# Altium PCB OneBox.PcbDoc (part 2 of 13)
Units mm, origin at the board's own origin, x right, y up, seen from the top; angles counter-clockwise.
Board outline 101 x 69 mm, 6 copper layers (L1_Sig, L2_Gnd, L3_Pow, L4_Sig, L5_Gnd, L6_Sig), stack 1.538 mm thick; 766 components, 563 nets, 3133 pads, 2914 vias.
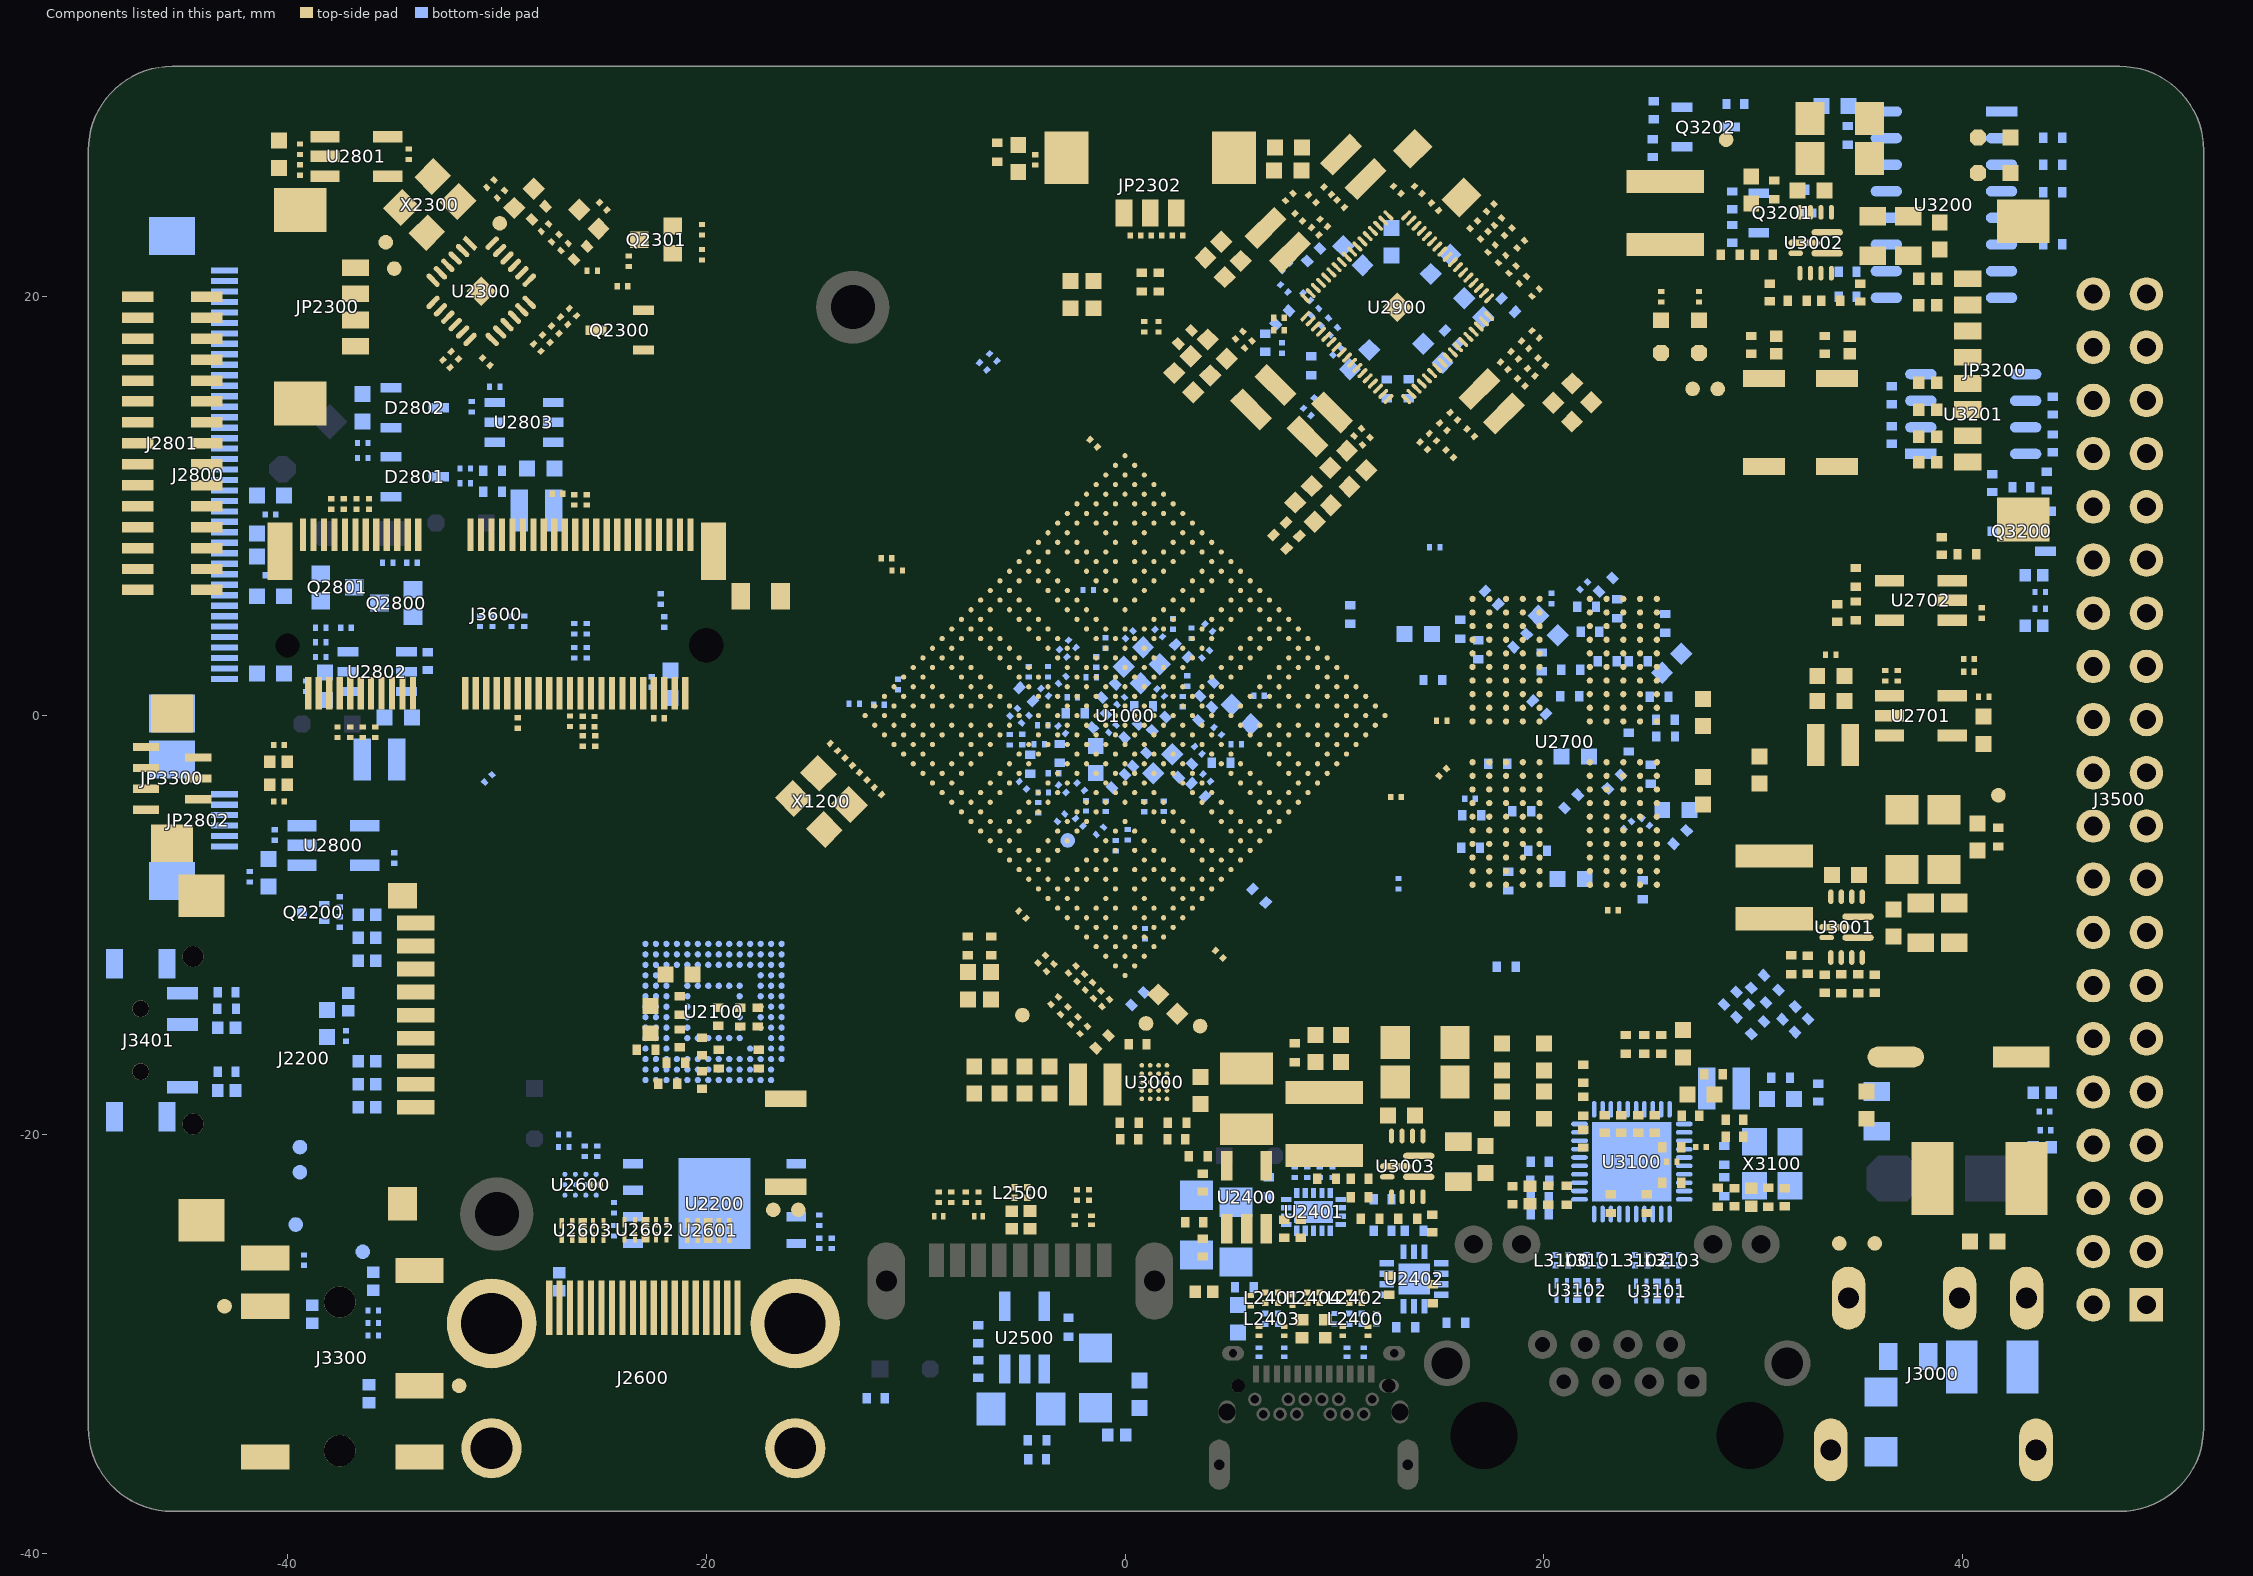
[diagram p6: the components of this part, seen from the top]

## Components (designator, comment, footprint, x,y, rotation, side; value= is the part's Value field where it differs from the comment) (continued)
L2801 "4.7uH" SWPA252010 -28.1,9.8 r0 bottom
L2900 "470nH" SWPA252010 9.3,13.9 r45 top
L2901 "470nH" SWPA252010 7.3,22.7 r315 top
L2902 "470nH" SWPA252010 6.6,15.2 r45 top
L2903 "470nH" SWPA252010 17.5,15 r135 top
L2904 "470nH" SWPA252010 10.9,26.2 r135 top
L3000 "0.24uH" SWPA252010 -1.424,-17.621 r0 top
L3001 "4.7uH" NR4020 31,-8.2 r90 top
L3002 "4.7uH" NR4020 25.8,24 r90 top
L3003 "4.7uH" NR4020 9.5,-19.5 r90 top
L3100 "10uH" SDMM0806 20.85,-26 r270 bottom
L3101 "10uH" SDMM0806 22.35,-26 r270 bottom
L3102 "10uH" SDMM0806 24.65,-26 r270 bottom
L3103 "10uH" SDMM0806 26.15,-26 r270 bottom
L3104 "2.2uH" SWPA252010 28.6,-17.8 r0 bottom
LB2300 "120R@100MHz" "FB 0402_L" -28,24 r45 top
LB2301 "120R@100MHz" "FB 0402_L" -26.001,22.092 r45 top
LB2302 "120R@100MHz" "FB 0402_L" -6.1,26.9 r90 top
LB2900 "120R@100MHz" "FB 0402_L" 18.3,19.6 r135 bottom
LB2901 "120R@100MHz" "FB 0402_L" 13.553,15.607 r270 bottom
LB2902 "120R@100MHz" "FB 0402_L" 7.514,19.013 r225 bottom
LB2903 "120R@100MHz" "FB 0402_L" 12.5,15.6 r270 bottom
LB2904 "120R@100MHz" "FB 0402_L" 8.9,16.7 r90 bottom
LED3200 "Green" "LED 0603G" 41.5,25.9 r180 top
LED3201 "Yellow" "LED 0603Y" 41.5,27.6 r180 top
LED3400 "Green" "LED 0603B" 27.4,18.1 r270 top
LED3401 "Blue" "LED 0603B" 25.6,18.1 r270 top
Q2200 "MMBT3904" SOT723 -38.241,-9 r0 bottom
Q2300 "AO3401" SOT23-3L -24.144,18.407 r90 top
Q2301 "WNM2021-3/TR" SOT323-3 -22.5,22.7 r90 top
Q2800 "WNM2021-3/TR" SOT323-3 -34.9,5.4 r270 bottom
Q2801 "WNM2021-3/TR" SOT323-3 -37.5,6.1 r90 bottom
Q3200 "S8050" SOT23-3L 42.8,8.8 r270 bottom locked
Q3201 "S8050" SOT23-3L 31.4,24 r90 bottom
Q3202 "S8050" SOT23-3L 27.744,28.103 r90 bottom
R1100 "120R/1%" R0201_NS 6.401,0.946 r180 bottom
R1200 "22R/5%" R0201_NS -12.5,-2.9 r315 top
R1201 "1M/5%" R0201_NS -13.2,-2.2 r315 top
R1202 "0R/5%" R0201_NS -11.744,0.515 r180 bottom
R1203 "2.2K/5%" R0201_NS 0.919,18.568 r270 top
R1204 "2.2K/5%" R0201_NS 1.601,18.568 r270 top
R1205 "2.2K/5%" R0201_NS -22.001,4.471 r90 bottom
R1206 "2.2K/5%" R0201_NS -22.171,5.567 r270 bottom
R1207 "2.2K/5%" R0201_NS -11.389,7.511 r180 top
R1208 "2.2K/5%" R0201_NS -10.88,6.933 r180 top
R1400 "22R/5%" R0201_NS 0.948,-10.411 r90 bottom
R1401 "22R/5%" R0201_NS 4.5,-11.4 r135 top
R1402 "4.7K/5%" R0201_NS -3.979,-11.632 r225 top
R1403 "4.7K/5%" R0201_NS -3.577,-12.034 r225 top
R1404 "22R/5%" R0201_NS -4.9,-9.5 r315 top
R1500 "10K/5%" R0201_NS -1.5,13 r315 top
R1501 "2.2K/5%" R0201_NS -6.777,16.677 r135 bottom
R1502 "2.2K/5%" R0201_NS -6.3,17.1 r135 bottom
R1600 "22R/5%" R0201_NS -1.762,5.998 r180 bottom
R1601 "0R/5%" R0402_NS 2.7,3.1 r315 bottom
R1700 "10K/1%" R0201_NS -1.323,-13.323 r45 top
R1800 "1.62K/1%" R0201_NS -4.602,2.09 r270 bottom
R1900 "200R/1%" R0201_NS -3.016,-0.671 r315 bottom
R2001 "0R/5%" R0402_NS 0.614,-13.519 r45 bottom
R2002 "10K/5%" R0201_NS -10.843,1.484 r90 bottom
R2100 "10K/5%" R0402_NS -20.2,-17.4 r90 top
R2101 "10K/5%" R0402_NS -20.2,-15.8 r270 top
R2102 "10K/5%" R0402_NS -21.259,-15.414 r270 top
R2103 "NC" R0402_NS -19.416,-14.379 r270 top
R2200 "10K/5%" R0201_NS -37.5,-8.9 r90 bottom
R2201 "10K/5%" R0201_NS -37.5,-9.85 r270 bottom
R2202 "10K/5%" R0201_NS -24.4,-23.5 r90 bottom
R2203 "10K/5%" R0201_NS -14.6,-24.1 r90 bottom
R2204 "NC" R0201_NS -24.4,-24.6 r270 bottom
R2300 "1K/5%" R0201_NS -29.8,24.9 r45 top
R2301 "100K/5%" R0201_NS -26.362,19.271 r135 top
R2302 "100K/5%" R0201_NS -28.059,17.574 r135 top
R2303 "10K/5%" R0201_NS -30.3,25.4 r225 top
R2304 "10K/5%" R0201_NS -26.787,18.846 r135 top
R2305 "NC" R0201_NS -27.211,18.422 r135 top
R2306 "2.7K/1%" R0201_NS -30.5,16.9 r135 top
R2309 "0R/5%" R0201_NS -32,17.2 r135 top
R2310 "0R/5%" R0201_NS -32.4,16.8 r135 top
R2311 "100K/5%" R0201_NS -24,20.5 r180 top
R2312 "1K/5%" R0201_NS -23.7,21.7 r90 top
R2313 "10K/5%" R0201_NS -20.2,22 r270 top
R2314 "NC" R0201_NS -20.2,23.2 r90 top
R2315 "NC" R0201_NS 2.5,22.924 r180 top
R2316 "33R" R0201_NS 1.5,22.924 r0 top
R2400 "0R/1%" R0201_NS 10.7,-28.8 r270 bottom
R2401 "0R/1%" R0201_NS 11.3,-28.8 r270 bottom
R2402 "0R/1%" R0201_NS 7.3,-27.8 r270 top
R2403 "0R/1%" R0201_NS 6.7,-27.8 r270 top
R2404 "0R/1%" R0201_NS 11.3,-27.8 r90 top
R2405 "0R/1%" R0201_NS 10.7,-27.8 r90 top
R2406 "0R/1%" R0201_NS 6.7,-28.8 r90 bottom
R2407 "0R/1%" R0201_NS 7.3,-28.8 r90 bottom
R2408 "2.2R/1%" R0201_NS 9.3,-27.8 r270 top
R2409 "2.2R/1%" R0201_NS 8.7,-27.8 r270 top
R2410 "10K/5%" R0402_NS 8.4,-24.5 r270 top
R2411 "100K/5%" R0402_NS 3.7,-22.3 r90 top
R2412 "4.7K/1%" R0402_NS 7.6,-24.5 r270 top
R2413 "10K/5%" R0402_NS 3.7,-25.4 r90 top
R2414 "15K/5%" R0402_NS 3.3,-24.2 r0 top
R2415 "10K/5%" R0402_NS 12.3,-23.1 r0 bottom
R2416 "10K/5%" R0402_NS 12.3,-24.6 r180 bottom
R2500 "2.2R/5%" R0201_NS -4.677,-22.776 r90 top
R2501 "2.2R/5%" R0201_NS -5.277,-22.776 r90 top
R2502 "0R/5%" R0201_NS -1.721,-22.894 r90 top
R2503 "0R/5%" R0201_NS -2.297,-22.894 r90 top
R2504 "0R/5%" R0201_NS -8.3,-23 r270 top
R2505 "0R/5%" R0201_NS -7.6,-23 r270 top
R2506 "10K/5%" R0402_NS -11.9,-32.6 r0 bottom
R2507 "100K/5%" R0402_NS -7,-29.537 r270 bottom
R2508 "4.7K/1%" R0402_NS -7,-31.2 r90 bottom
R2509 "NC" R0402_NS -4.2,-35.5 r180 bottom
R2600 "NC" R0201_NS -25.8,-20.8 r270 bottom
R2601 "0R/5%" R0201_NS -25.2,-20.8 r270 bottom
R2602 "1K/5%" R0201_NS -26.8,-20.6 r180 bottom
R2603 "100K/5%" R0201_NS -26.8,-20 r180 bottom
R2700 "240R/1%" R0201_NS 21.9,6.2 r225 bottom
R2701 "240R/1%" R0201_NS 20.366,5.59 r270 bottom
R2702 "100K/5%" R0201_NS 36.9,1.9 r90 top
R2703 "2K/1%" R0201_NS 40.3,2.1 r0 top
R2704 "100K/1%" R0201_NS 41,0.9 r0 top
R2705 "NC" R0603_NS 27.6,-3.592 r90 top
R2706 "10K/5%" R0402_NS 39,8.1 r270 top
R2707 "NC" R0402_NS 34,4.9 r270 top
R2800 "6.8K/1%" R0201_NS -40.6,-5.7 r270 bottom
R2801 "6.8K/1%" R0201_NS -39.398,26.048 r90 top
R2802 "100K/5%" R0402_NS -33.3,2.6 r90 bottom
R2803 "3.9K/1%" R0201_NS -38.4,3.5 r0 bottom
R2804 "100K/1%" R0201_NS -38.4,2.8 r180 bottom
R2805 "510K/1%" R0201_NS -30.1,15.7 r180 bottom
R2806 "13K/1%" R0201_NS -31.2,14.75 r270 bottom
R2807 "10K/1%" R0201_NS -31.5,11.1 r0 bottom
R2808 "6.8K/1%" R0201_NS -31.5,11.8 r0 bottom
R2809 "510R/5%" R0201_NS -36.4,12.3 r180 bottom
R2810 "51K/5%" R0201_NS -40.8,6.7 r180 bottom
R2811 "51K/5%" R0201_NS -40.8,9.6 r180 bottom
R2812 "510R/5%" R0201_NS -36.4,13.021 r180 bottom
R2813 "10K/5%" R0201_NS -34.048,7.3 r0 bottom
R2814 "NC" R0201_NS -35.2,7.3 r180 bottom
R2815 "10K/5%" R0201_NS -38.4,4.2 r180 bottom
R2816 "NC" R0201_NS -37.2,4.2 r0 bottom
R2900 "100R/5%" R0201_NS 11.115,13.523 r45 top
R2901 "100R/5%" R0201_NS 5.887,17.72 r45 top
R2902 "100R/5%" R0201_NS 8.292,23.797 r135 top
R2903 "47K/1%" R0201_NS 18.1,16.7 r315 top
R2904 "120K/1%" R0201_NS 18.921,15.917 r135 top
R2905 "22R/5%" R0201_NS 7.35,18.4 r180 top
R2906 "22R/5%" R0201_NS 7.35,19 r180 top
R2907 "0R/5%" R0201_NS 7.597,20.395 r135 bottom
R2908 "10K/5%" R0201_NS 7.673,21.431 r225 bottom
R2909 "10K/5%" R0402_NS 6.7,17.8 r90 bottom
R2910 "10K/5%" R0402_NS 9,22 r225 bottom
R2911 "NC" R0201_NS 9.484,23.523 r135 top
R2912 "0R/1%" R0201_NS 8.942,24.678 r315 top
R3000 "51K/5%" R0402_NS 2.453,-20.234 r0 top
R3001 "100R/5%" R0402_NS 0.2,-20.234 r180 top
R3002 "0R/5%" R1206_NS 36.1,-33.7 r270 bottom
R3003 "2R/5%" R1210_NS 41.4,-31.1 r0 bottom
R3004 "10K/5%" R0402_NS 35.8,-12.8 r270 top
R3005 "100K/5%" R0402_NS 33.4,-12.8 r270 top
R3006 "3.3R/5%" R0402_NS 32.6,-11.9 r90 top
R3012 "10K/5%" R0402_NS 35.1,20.2 r90 top
R3013 "3.3R/5%" R0402_NS 30.5,22 r0 top
R3014 "100K/5%" R0402_NS 30.792,20.202 r90 top
R3016 "10K/5%" R0402_NS 14.671,-24.251 r270 top
R3017 "100K/5%" R0402_NS 11.2,-23 r180 top
R3018 "3.3R/5%" R0402_NS 11.197,-22.106 r0 top
R3019 "NC" R0603_NS 10.3,-15.9 r90 top
R3020 "0R/1%" R1210_NS 5.8,-18.3 r270 top
R3100 "120R/1%" R0201_NS 26.1,-21.3 r0 top
R3101 "100R/5%" R0201_NS 27.5,-20.6 r0 top
R3102 "2.49K/1%" R0402_NS 29.1,-23 r270 top
R3103 "0R/5%" R0402_NS 33.1,-18 r90 bottom
R3104 "NC" R0402_NS 19.8,-23.8 r0 bottom
R3105 "0R/5%" R0402_NS 19.8,-23 r0 bottom
R3106 "1.8K/5%" R0402_NS 19.8,-21.3 r180 bottom
R3107 "22R/5%" R0402_NS 30.9,-13.4 r45 bottom
R3108 "22R/5%" R0402_NS 29.5,-14.1 r45 bottom
R3109 "22R/5%" R0402_NS 30.2,-12.7 r45 bottom
R3110 "22R/5%" R0402_NS 28.9,-13.5 r45 bottom
R3111 "22R/5%" R0402_NS 31.7,-14.2 r45 bottom
R3112 "22R/5%" R0402_NS 30.2,-14.9 r45 bottom
R3113 "0R/1%" R0201_NS 20.55,-26 r270 bottom
R3114 "0R/1%" R0201_NS 21.15,-26 r270 bottom
R3115 "0R/1%" R0201_NS 22.05,-26 r270 bottom
R3116 "0R/1%" R0201_NS 22.65,-26 r270 bottom
R3117 "0R/1%" R0201_NS 24.35,-26 r270 bottom
R3118 "0R/1%" R0201_NS 24.95,-26 r270 bottom
R3119 "0R/1%" R0201_NS 25.85,-26 r270 bottom
R3120 "0R/1%" R0201_NS 26.45,-26 r270 bottom
R3121 "510R/5%" R0402_NS 31.5,-23 r90 top
R3122 "510R/5%" R0402_NS 18.5,-22.9 r90 top
R3123 "4.7K/5%" R0402_NS 27,-19.1 r0 top
R3124 "4.7K/5%" R0402_NS 29.1,-20.1 r0 top
R3125 "4.7K/5%" R0402_NS 29.1,-19.3 r180 top
R3126 "4.7K/5%" R0402_NS 21.877,-17.1 r90 top
R3127 "4.7K/5%" R0402_NS 25.3,-19.5 r90 top
R3128 "4.7K/5%" R0402_NS 24.5,-19.5 r90 top
R3129 "4.7K/5%" R0402_NS 23.7,-19.5 r90 top
R3130 "4.7K/5%" R0402_NS 22.9,-19.5 r90 top
R3131 "4.7K/5%" R0402_NS 21.877,-20.2 r270 top
R3132 "NC" R0603_NS 27.5,-18.1 r0 top
R3133 "0.1R/1%" R0603_NS 20,-16.3 r270 top
R3134 "0.1R/1%" R0603_NS 18,-16.3 r270 top
R3200 "0.1R/1%" R0603_NS 33.9,29.1 r0 bottom
R3201 "22R/5%" R0402_NS 34.5,21.2 r0 bottom
R3202 "22R/5%" R0402_NS 34.5,20 r0 bottom
R3203 "4.7K/5%" R0402_NS 42.8,10.9 r0 bottom
R3204 "1K/5%" R0402_NS 36.6,15.3 r270 bottom
R3205 "NC" R0402_NS 36.6,13.4 r90 bottom
R3206 "1K/5%" R0402_NS 44.3,13 r270 bottom
R3207 "1K/5%" R0402_NS 41.4,11.1 r90 bottom
R3208 "120R/5%" R0402_NS 44.3,14.8 r90 bottom
R3209 "10K/5%" R0402_NS 29,23 r270 bottom
R3210 "100K/5%" R0402_NS 29,24.6 r90 bottom
R3211 "100R/5%" R0402_NS 32.9,25.1 r0 bottom
R3212 "10K/5%" R0402_NS 25.2,27.1 r270 bottom
R3213 "100K/5%" R0402_NS 25.244,28.903 r90 bottom
R3214 "100R/5%" R0402_NS 29.144,29.203 r0 bottom
R3305 "100K/5%" R0201_NS -35.9,-29.6 r0 bottom
R3306 "1K/5%" R0201_NS -35.9,-28.4 r0 bottom
R3307 "0R/5%" R0201_NS -39.2,-26 r270 bottom
R3400 "22R/5%" R0402_NS 29.9,17.7 r270 top
R3401 "100R/5%" R0402_NS 33.4,17.7 r270 top
R3402 "10K/1%" R0402_NS -42.9,-17 r0 bottom
R3403 "100R/1%" R0402_NS -42.9,-13.215 r180 bottom
R3404 "4.7K/5%" R0201_NS 27.4,20 r270 top
R3406 "200R/5%" R0201_NS 25.6,20 r270 top
R3407 "10K/1%" R0201_NS -2.523,-12.123 r225 top
R3408 "NC" R0201_NS -2.123,-12.523 r45 top
R3409 "10K/1%" R0402_NS -1.097,-15.58 r45 top
R3410 "NC" R0402_NS 0.6,-15.7 r180 top
R3500 "0R/5%" R0201_NS 43.7,5.9 r0 bottom
R3501 "100R/5%" R0201_NS 43.95,-19.8 r0 bottom
R3502 "100R/5%" R0201_NS 43.9,-18.9 r0 bottom
R3503 "0R/5%" R0201_NS 43.7,5.1 r0 bottom
R3600 "0R/5%" R0201_NS -37.9,10.1 r270 top
R3601 "10K/5%" R0201_NS -27.1,10.6 r0 top
R3602 "22R/5%" R0201_NS -26.3,10.3 r270 top
R3603 "22R/5%" R0201_NS -25.7,10.3 r270 top
R3604 "0R/5%" R0201_NS -37.6,-0.8 r270 top
R3605 "0R/5%" R0201_NS -37,-0.8 r270 top
R3606 "0R/5%" R0201_NS -36.4,-0.8 r270 top
R3607 "0R/5%" R0201_NS -35.8,-0.8 r270 top
R3608 "22R/5%" R0201_NS -29,-0.35 r270 top
R3609 "22R/5%" R0201_NS -26.5,-0.274 r270 top
R3610 "22R/5%" R0201_NS -22.254,-0.125 r180 top
R3611 "0R/5%" R0805_NS -17.4,5.7 r0 top
R3612 "10K/5%" R0201_NS -26.3,4.15 r90 bottom
R3613 "0R/5%" R0201_NS -25.7,4.15 r270 bottom
R3614 "NC" R0201_NS -26.3,3 r270 bottom
R3615 "22R/5%" R0201_NS -25.332,-0.286 r90 top
R3616 "10K/5%" R0201_NS -25.293,-1.208 r270 top
R3617 "22R/5%" R0201_NS -25.895,-0.278 r90 top
R3618 "10K/5%" R0201_NS -25.893,-1.208 r270 top
R3619 "22R/5%" R0201_NS -36.1,10.1 r270 top
R3620 "10K/5%" R0201_NS -36.7,10.1 r270 top
SW1400 "3x4x5" TS3x4x2 -16.2,-20.4 r0 top
SW3400 "3x4x5" TS3X4X2 30.5,14 r0 top
SW3401 "3x4x5" TS3X4X2 34,14 r0 top
TP1402 "TP_0.7" "TEST 0.7" -15.6,-23.6 r180 top
TP1403 "TP_0.7" "TEST 0.7" -16.8,-23.6 r180 top
TP1700 "TP_0.7" "TEST 0.7" 1,-14.7 r180 top
TP1701 "TP_0.7" "TEST 0.7" 3.583,-14.824 r135 top
TP1900 "TP_0.7" "TEST 0.7" -2.739,-5.961 r45 bottom
TP2300 "TP_0.7" "TEST 0.7" -29.858,23.504 r135 top
TP2301 "TP_0.7" "TEST 0.7" -35.3,22.6 r315 top
TP2302 "TP_0.7" "TEST 0.7" -34.896,21.344 r315 top
TP3000 "TP_0.7" "TEST 0.7" -4.9,-14.3 r90 top
TP3001 "TP_0.7" "TEST 0.7" 34.1,-25.2 r90 top
TP3002 "TP_0.7" "TEST 0.7" 35.8,-25.2 r90 top
TP3003 "TP_0.7" "TEST 0.7" 41.7,-3.8 r0 top
TP3004 "TP_0.7" "TEST 0.7" 28.7,27.5 r90 top
TP3300 "TP_0.7" "TEST 0.7" -36.4,-25.6 r270 bottom
TP3301 "TP_0.7" "TEST 0.7" -43,-28.2 r270 top
TP3302 "TP_0.7" "TEST 0.7" -31.8,-32 r270 top
TP3303 "TP_0.7" "TEST 0.7" -39.6,-24.3 r270 bottom
TP3400 "TP_0.7" "TEST 0.7" 28.3,15.6 r90 top
TP3401 "TP_0.7" "TEST 0.7" 27.1,15.6 r90 top
TP3402 "TP_0.7" "TEST 0.7" -39.397,-20.603 r90 bottom
TP3403 "TP_0.7" "TEST 0.7" -39.4,-21.8 r90 bottom
U1000 "RK3568 Part" FCBGA636L 0,0 r225 top locked
U2100 "SDINBDA6-32G Part A" BGA153 -19.65,-14.15 r90 bottom locked
U2200 "W25Q128JWXXX" SON127P800X600X80-9N-D -19.6,-23.3 r0 bottom locked
U2300 "FE1.1s_QFN" "QFN24 4X4_L" -30.746,20.261 r225 top
U2400 "SY6280AAAC" SOT23-5M 5.8,-23 r0 top
U2401 "FUSB340TMX" X2QFN-18 9,-23.7 r270 bottom
U2402 "FUSB302BMPX" WQFN-14 13.8,-26.9 r90 bottom locked
U2500 "SY6280AAAC" SOT23-5M -4.8,-29.7 r180 bottom
U2600 "UM3204H" CSP-12 -26,-22.4 r0 bottom
U2601 "ESD5304D" DFN2510 -19.9,-24.6 r180 top
U2602 "ESD5304D" DFN2510 -22.9,-24.57 r180 top
U2603 "ESD5304D" DFN2510 -25.9,-24.6 r180 top
U2700 "MT53E128M32D2DS" FBGA200_L15W10 20.992,-1.251 r270 top locked
U2701 "SY8089AAAC" SOT23-5M 38,0 r270 top
U2702 "PT5108E23E-18" SOT23-5M 38,5.5 r90 top
U2800 "SY6280AAAC" SOT23-5M -37.8,-6.2 r90 bottom
U2801 "SY6280AAAC" SOT23-5M -36.7,26.7 r270 top
U2802 "ZCC3710" SOT23-6L -35.7,2.1 r90 bottom
U2803 "RT9293" SOT23-6L -28.7,14 r90 bottom
U2900 "RK809" "QFN68 7X7" 13,19.5 r315 top locked
U3000 "TCS4525" BGA20C40P4X5_152X192X50 1.4,-17.5 r180 top locked
U3001 "NB680GD" QFN-12 34.474,-10.077 r180 top
U3002 "NB680GD" QFN-12 33,22.6 r180 top
U3003 "NB679GD" QFN-12 13.5,-21.5 r180 top locked
U3100 "RTL8211F-CG" WQFN-40 24.2,-21.3 r180 bottom
U3101 "ESD5304D" DFN2510 25.4,-27.5 r0 bottom
U3102 "ESD5304D" DFN2510 21.6,-27.47 r0 bottom
U3200 "MAX3232" SOP16_L 39.1,24.4 r180 bottom
U3201 "MAX3485" SOP8_L 40.5,14.4 r0 bottom locked
X1200 "24MHz/12pF/10ppm" XTAL-3225-4P -14.5,-4.1 r135 top locked
X2300 "12MHz" XTAL-3225-4P -33.2,24.4 r225 top
X2900 "32.768KHz/12.5pF" "OSC 3215-2P" 14.9,25.9 r315 top
X3100 "25MHz/12pF/10ppm" XTAL-3225-4P 30.9,-21.4 r90 bottom

## Footprints (in the part's own frame and the unit in brackets; to place one, negate y for a bottom-side part, rotate by r counter-clockwise, add the part's x,y. Pads: shape width x height; smd on the part's side, far side on the other; paste and mask are expansions set on the pad)
BGA20C40P4X5_152X192X50 [mm]
  round 0.226 smd: A1(-0.6,0.8) A2(-0.2,0.8) A3(0.2,0.8) A4(0.6,0.8) B1(-0.6,0.4) B2(-0.2,0.4) B3(0.2,0.4) B4(0.6,0.4) C1(-0.6,0) C2(-0.2,0) C3(0.2,0) C4(0.6,0) D1(-0.6,-0.4) D2(-0.2,-0.4) D3(0.2,-0.4) D4(0.6,-0.4) E1(-0.6,-0.8) E2(-0.2,-0.8) E3(0.2,-0.8) E4(0.6,-0.8)
  silkscreen extent -0.9,0.6 -0.4,1.1, body extent -0.76,-0.96 0.76,0.96, height 0.5
BGA153 [mm]
  round 0.3 smd: A3(-2.25,3.25) A4(-1.75,3.25) A5(-1.25,3.25) A6(-0.75,3.25) A7(-0.25,3.25) A8(0.25,3.25) A9(0.75,3.25) A11(1.75,3.25) A12(2.25,3.25) A13(2.75,3.25) A14(3.25,3.25) B1(-3.25,2.75) B2(-2.75,2.75) B3(-2.25,2.75) B4(-1.75,2.75) B5(-1.25,2.75) B6(-0.75,2.75) B7(-0.25,2.75) B8(0.25,2.75) B9(0.75,2.75) B10(1.25,2.75) B11(1.75,2.75) B12(2.25,2.75) B13(2.75,2.75) B14(3.25,2.75) C1(-3.25,2.25) C2(-2.75,2.25) C3(-2.25,2.25) C4(-1.75,2.25) C6(-0.75,2.25) C7(-0.25,2.25) C8(0.25,2.25) C9(0.75,2.25) C10(1.25,2.25) C11(1.75,2.25) C12(2.25,2.25) C13(2.75,2.25) C14(3.25,2.25) D1(-3.25,1.75) D2(-2.75,1.75) D3(-2.25,1.75) D4(-1.75,1.75) D12(2.25,1.75) D13(2.75,1.75) D14(3.25,1.75) E1(-3.25,1.25) E2(-2.75,1.25) E3(-2.25,1.25) E5(-1.25,1.25) E6(-0.75,1.25) E7(-0.25,1.25) E8(0.25,1.25) E9(0.75,1.25) E10(1.25,1.25) E12(2.25,1.25) E13(2.75,1.25) E14(3.25,1.25) F1(-3.25,0.75) F2(-2.75,0.75) F3(-2.25,0.75) F5(-1.25,0.75) F10(1.25,0.75) F12(2.25,0.75) F13(2.75,0.75) F14(3.25,0.75) G1(-3.25,0.25) G2(-2.75,0.25) G3(-2.25,0.25) G5(-1.25,0.25) G10(1.25,0.25) G12(2.25,0.25) G13(2.75,0.25) G14(3.25,0.25) H1(-3.25,-0.25) H2(-2.75,-0.25) H3(-2.25,-0.25) H5(-1.25,-0.25) H10(1.25,-0.25) H12(2.25,-0.25) H13(2.75,-0.25) H14(3.25,-0.25) J1(-3.25,-0.75) J2(-2.75,-0.75) J3(-2.25,-0.75) J5(-1.25,-0.75) J10(1.25,-0.75) J12(2.25,-0.75) J13(2.75,-0.75) J14(3.25,-0.75) K1(-3.25,-1.25) K2(-2.75,-1.25) K3(-2.25,-1.25) K5(-1.25,-1.25) K6(-0.75,-1.25) K7(-0.25,-1.25) K8(0.25,-1.25) K9(0.75,-1.25) K10(1.25,-1.25) K12(2.25,-1.25) K13(2.75,-1.25) K14(3.25,-1.25) L1(-3.25,-1.75) L2(-2.75,-1.75) L3(-2.25,-1.75) L12(2.25,-1.75) L13(2.75,-1.75) L14(3.25,-1.75) M1(-3.25,-2.25) M2(-2.75,-2.25) M3(-2.25,-2.25) M4(-1.75,-2.25) M5(-1.25,-2.25) M6(-0.75,-2.25) M7(-0.25,-2.25) M8(0.25,-2.25) M9(0.75,-2.25) M10(1.25,-2.25) M11(1.75,-2.25) M12(2.25,-2.25) M13(2.75,-2.25) M14(3.25,-2.25) N1(-3.25,-2.75) N2(-2.75,-2.75) N3(-2.25,-2.75) N4(-1.75,-2.75) N5(-1.25,-2.75) N6(-0.75,-2.75) N7(-0.25,-2.75) N8(0.25,-2.75) N9(0.75,-2.75) N10(1.25,-2.75) N11(1.75,-2.75) N12(2.25,-2.75) N13(2.75,-2.75) N14(3.25,-2.75) P1(-3.25,-3.25) P2(-2.75,-3.25) P3(-2.25,-3.25) P4(-1.75,-3.25) P5(-1.25,-3.25) P6(-0.75,-3.25) P7(-0.25,-3.25) P8(0.25,-3.25) P9(0.75,-3.25) P10(1.25,-3.25) P11(1.75,-3.25) P12(2.25,-3.25) P13(2.75,-3.25) P14(3.25,-3.25)
  round 0.3 smd mask+0.102: A10(1.25,3.25)
  silkscreen extent -5.75,-6.5 5.75,6.5, body extent -5.75,-6.5 5.75,6.5, height 1.01
C0201_NS [mm] "贴片MLCC电容-无丝印"
  rect 0.25x0.3 smd: 1(-0.25,0) 2(0.25,0)
  body extent -0.3,-0.16 0.3,0.16, height 0.34
C0402_NS [mm] "贴片MLCC电容-无丝印"
  rect 0.4x0.5 smd: 1(-0.45,0) 2(0.45,0)
  body extent -0.5,-0.26 0.5,0.26, height 0.54
C0603_NS [mil] "贴片MLCC电容-无丝印"
  rect 30x30 smd: 1(-25.59,0) 2(25.59,0)
  silkscreen extent -3,-9 3,9, body extent -31,-16 31,16, height 33
C0805_NS [mil] "贴片MLCC电容-无丝印"
  rect 35x50 smd: 1(-37.4,0) 2(37.4,0)
  silkscreen extent -10,-15 10,15, body extent -39,-24 39,24, height 22
C1206_NS [mil] "贴片MLCC电容-无丝印"
  rect 55x62 smd: 1(-55.12,0) 2(57.09,0)
  silkscreen extent -20,-25 20,25, body extent -63,-32 63,32, height 50
"CM D(6.3*7.7)" [mm] "贴片电解电容，直径6.3mm，高7.7mm"
  rect 2.7x1 smd: 1(3,0)
  oval 2.7x1 smd: 2(-3,0)
  silkscreen extent -1.02,-1.17 1.14,1.17, body extent -3.5,-3.3 3.5,3.3, height 7.7
CSP-12 [mm]
  round 0.24 smd: A1(-0.75,0.5) A2(-0.75,0) A3(-0.75,-0.5) B1(-0.25,0.5) B2(-0.25,0) B3(-0.25,-0.5) C1(0.25,0.5) C2(0.25,0) C3(0.25,-0.5) D1(0.75,0.5) D2(0.75,0) D3(0.75,-0.5)
  silkscreen extent -1.04,0.3 -0.54,0.8, body extent -0.95,-0.7 0.95,0.7, height 0.52
DC-IN-TH_DC-044A-25A [mm]
  oval 3x1.6 hole 1 slot 2.2 at 0 deg: 1(3.188,-4.546) 2(3.188,3.954) 3(3.188,-1.346) 4(-4.062,-4.996) 5(-4.062,4.804)
  Keep-Out Layer board cut-out: -3.937,-2.196 -2.237,-2.196 -2.237,-0.496 -3.937,-0.496
  body extent -7.15,-5.25 4.75,5.12, height 8.8
DFN0603_2L [mm]
  rect 0.22x0.32 smd: 1(-0.21,0) 2(0.21,0)
  silkscreen extent 0.55,-0.21 0.55,0.21, body extent -0.31,-0.16 0.3,0.16, height 0.28
DFN1006_2L [mm]
  rect 0.55x0.6 smd: 1(-0.425,0) 2(0.425,0)
  silkscreen extent 0.91,-0.25 0.91,0.25, body extent -0.52,-0.3 0.48,0.3, height 0.45
DFN2510 [mm]
  rect 0.2x0.5 smd: 1(-1,-0.37) 2(-0.5,-0.37) 4(0.5,-0.37) 5(1,-0.37) 6(1,0.33) 7(0.5,0.33) 9(-0.5,0.33) 10(-1,0.33)
  rect 0.4x0.5 smd: 3(0,-0.37) 8(0,0.33)
  silkscreen extent -1.37,-0.86 -1.27,-0.76, body extent -1.25,-0.53 1.25,0.49, height 0.52
"FB 0402_L" [mm] "小功率贴片磁珠"
  rect 0.4x0.5 smd: 1(-0.45,0) 2(0.45,0)
  body extent -0.5,-0.25 0.5,0.25, height 0.5
FBGA200_L15W10 [mm]
  round 0.3 smd: A1(-6.825,-4.4) A2(-6.825,-3.6) A3(-6.825,-2.8) A4(-6.825,-2) A5(-6.825,-1.2) A8(-6.825,1.2) A9(-6.825,2) A10(-6.825,2.8) A11(-6.825,3.6) A12(-6.825,4.4) AA1(6.175,-4.4) AA2(6.175,-3.6) AA3(6.175,-2.8) AA4(6.175,-2) AA5(6.175,-1.2) AA8(6.175,1.2) AA9(6.175,2) AA10(6.175,2.8) AA11(6.175,3.6) AA12(6.175,4.4) AB1(6.825,-4.4) AB2(6.825,-3.6) AB3(6.825,-2.8) AB4(6.825,-2) AB5(6.825,-1.2) AB8(6.825,1.2) AB9(6.825,2) AB10(6.825,2.8) AB11(6.825,3.6) AB12(6.825,4.4) B1(-6.175,-4.4) B2(-6.175,-3.6) B3(-6.175,-2.8) B4(-6.175,-2) B5(-6.175,-1.2) B8(-6.175,1.2) B9(-6.175,2) B10(-6.175,2.8) B11(-6.175,3.6) B12(-6.175,4.4) C1(-5.525,-4.4) C2(-5.525,-3.6) C3(-5.525,-2.8) C4(-5.525,-2) C5(-5.525,-1.2) C8(-5.525,1.2) C9(-5.525,2) C10(-5.525,2.8) C11(-5.525,3.6) C12(-5.525,4.4) D1(-4.875,-4.4) D2(-4.875,-3.6) D3(-4.875,-2.8) D4(-4.875,-2) D5(-4.875,-1.2) D8(-4.875,1.2) D9(-4.875,2) D10(-4.875,2.8) D11(-4.875,3.6) D12(-4.875,4.4) E1(-4.225,-4.4) E2(-4.225,-3.6) E3(-4.225,-2.8) E4(-4.225,-2) E5(-4.225,-1.2) E8(-4.225,1.2) E9(-4.225,2) E10(-4.225,2.8) E11(-4.225,3.6) E12(-4.225,4.4) F1(-3.575,-4.4) F2(-3.575,-3.6) F3(-3.575,-2.8) F4(-3.575,-2) F5(-3.575,-1.2) F8(-3.575,1.2) F9(-3.575,2) F10(-3.575,2.8) F11(-3.575,3.6) F12(-3.575,4.4) G1(-2.925,-4.4) G2(-2.925,-3.6) G3(-2.925,-2.8) G4(-2.925,-2) G5(-2.925,-1.2) G8(-2.925,1.2) G9(-2.925,2) G10(-2.925,2.8) G11(-2.925,3.6) G12(-2.925,4.4) H1(-2.275,-4.4) H2(-2.275,-3.6) H3(-2.275,-2.8) H4(-2.275,-2) H5(-2.275,-1.2) H8(-2.275,1.2) H9(-2.275,2) H10(-2.275,2.8) H11(-2.275,3.6) H12(-2.275,4.4) J1(-1.625,-4.4) J2(-1.625,-3.6) J3(-1.625,-2.8) J4(-1.625,-2) J5(-1.625,-1.2) J8(-1.625,1.2) J9(-1.625,2) J10(-1.625,2.8) J11(-1.625,3.6) J12(-1.625,4.4) K1(-0.975,-4.4) K2(-0.975,-3.6) K3(-0.975,-2.8) K4(-0.975,-2) K5(-0.975,-1.2) K8(-0.975,1.2) K9(-0.975,2) K10(-0.975,2.8) K11(-0.975,3.6) K12(-0.975,4.4) N1(0.975,-4.4) N2(0.975,-3.6) N3(0.975,-2.8) N4(0.975,-2) N5(0.975,-1.2) N8(0.975,1.2) N9(0.975,2) N10(0.975,2.8) N11(0.975,3.6) N12(0.975,4.4) P1(1.625,-4.4) P2(1.625,-3.6) P3(1.625,-2.8) P4(1.625,-2) P5(1.625,-1.2) P8(1.625,1.2) P9(1.625,2) P10(1.625,2.8) P11(1.625,3.6) P12(1.625,4.4) R1(2.275,-4.4) R2(2.275,-3.6) R3(2.275,-2.8) R4(2.275,-2) R5(2.275,-1.2) R8(2.275,1.2) R9(2.275,2) R10(2.275,2.8) R11(2.275,3.6) R12(2.275,4.4) T1(2.925,-4.4) T2(2.925,-3.6) T3(2.925,-2.8) T4(2.925,-2) T5(2.925,-1.2) T8(2.925,1.2) T9(2.925,2) T10(2.925,2.8) T11(2.925,3.6) T12(2.925,4.4) U1(3.575,-4.4) U2(3.575,-3.6) U3(3.575,-2.8) U4(3.575,-2) U5(3.575,-1.2) U8(3.575,1.2) U9(3.575,2) U10(3.575,2.8) U11(3.575,3.6) U12(3.575,4.4) V1(4.225,-4.4) V2(4.225,-3.6) V3(4.225,-2.8) V4(4.225,-2) V5(4.225,-1.2) V8(4.225,1.2) V9(4.225,2) V10(4.225,2.8) V11(4.225,3.6) V12(4.225,4.4) W1(4.875,-4.4) W2(4.875,-3.6) W3(4.875,-2.8) W4(4.875,-2) W5(4.875,-1.2) W8(4.875,1.2) W9(4.875,2) W10(4.875,2.8) W11(4.875,3.6) W12(4.875,4.4) Y1(5.525,-4.4) Y2(5.525,-3.6) Y3(5.525,-2.8) Y4(5.525,-2) Y5(5.525,-1.2) Y8(5.525,1.2) Y9(5.525,2) Y10(5.525,2.8) Y11(5.525,3.6) Y12(5.525,4.4)